# Altium PCB PCB1.PcbDoc (part 2 of 2) (continued)
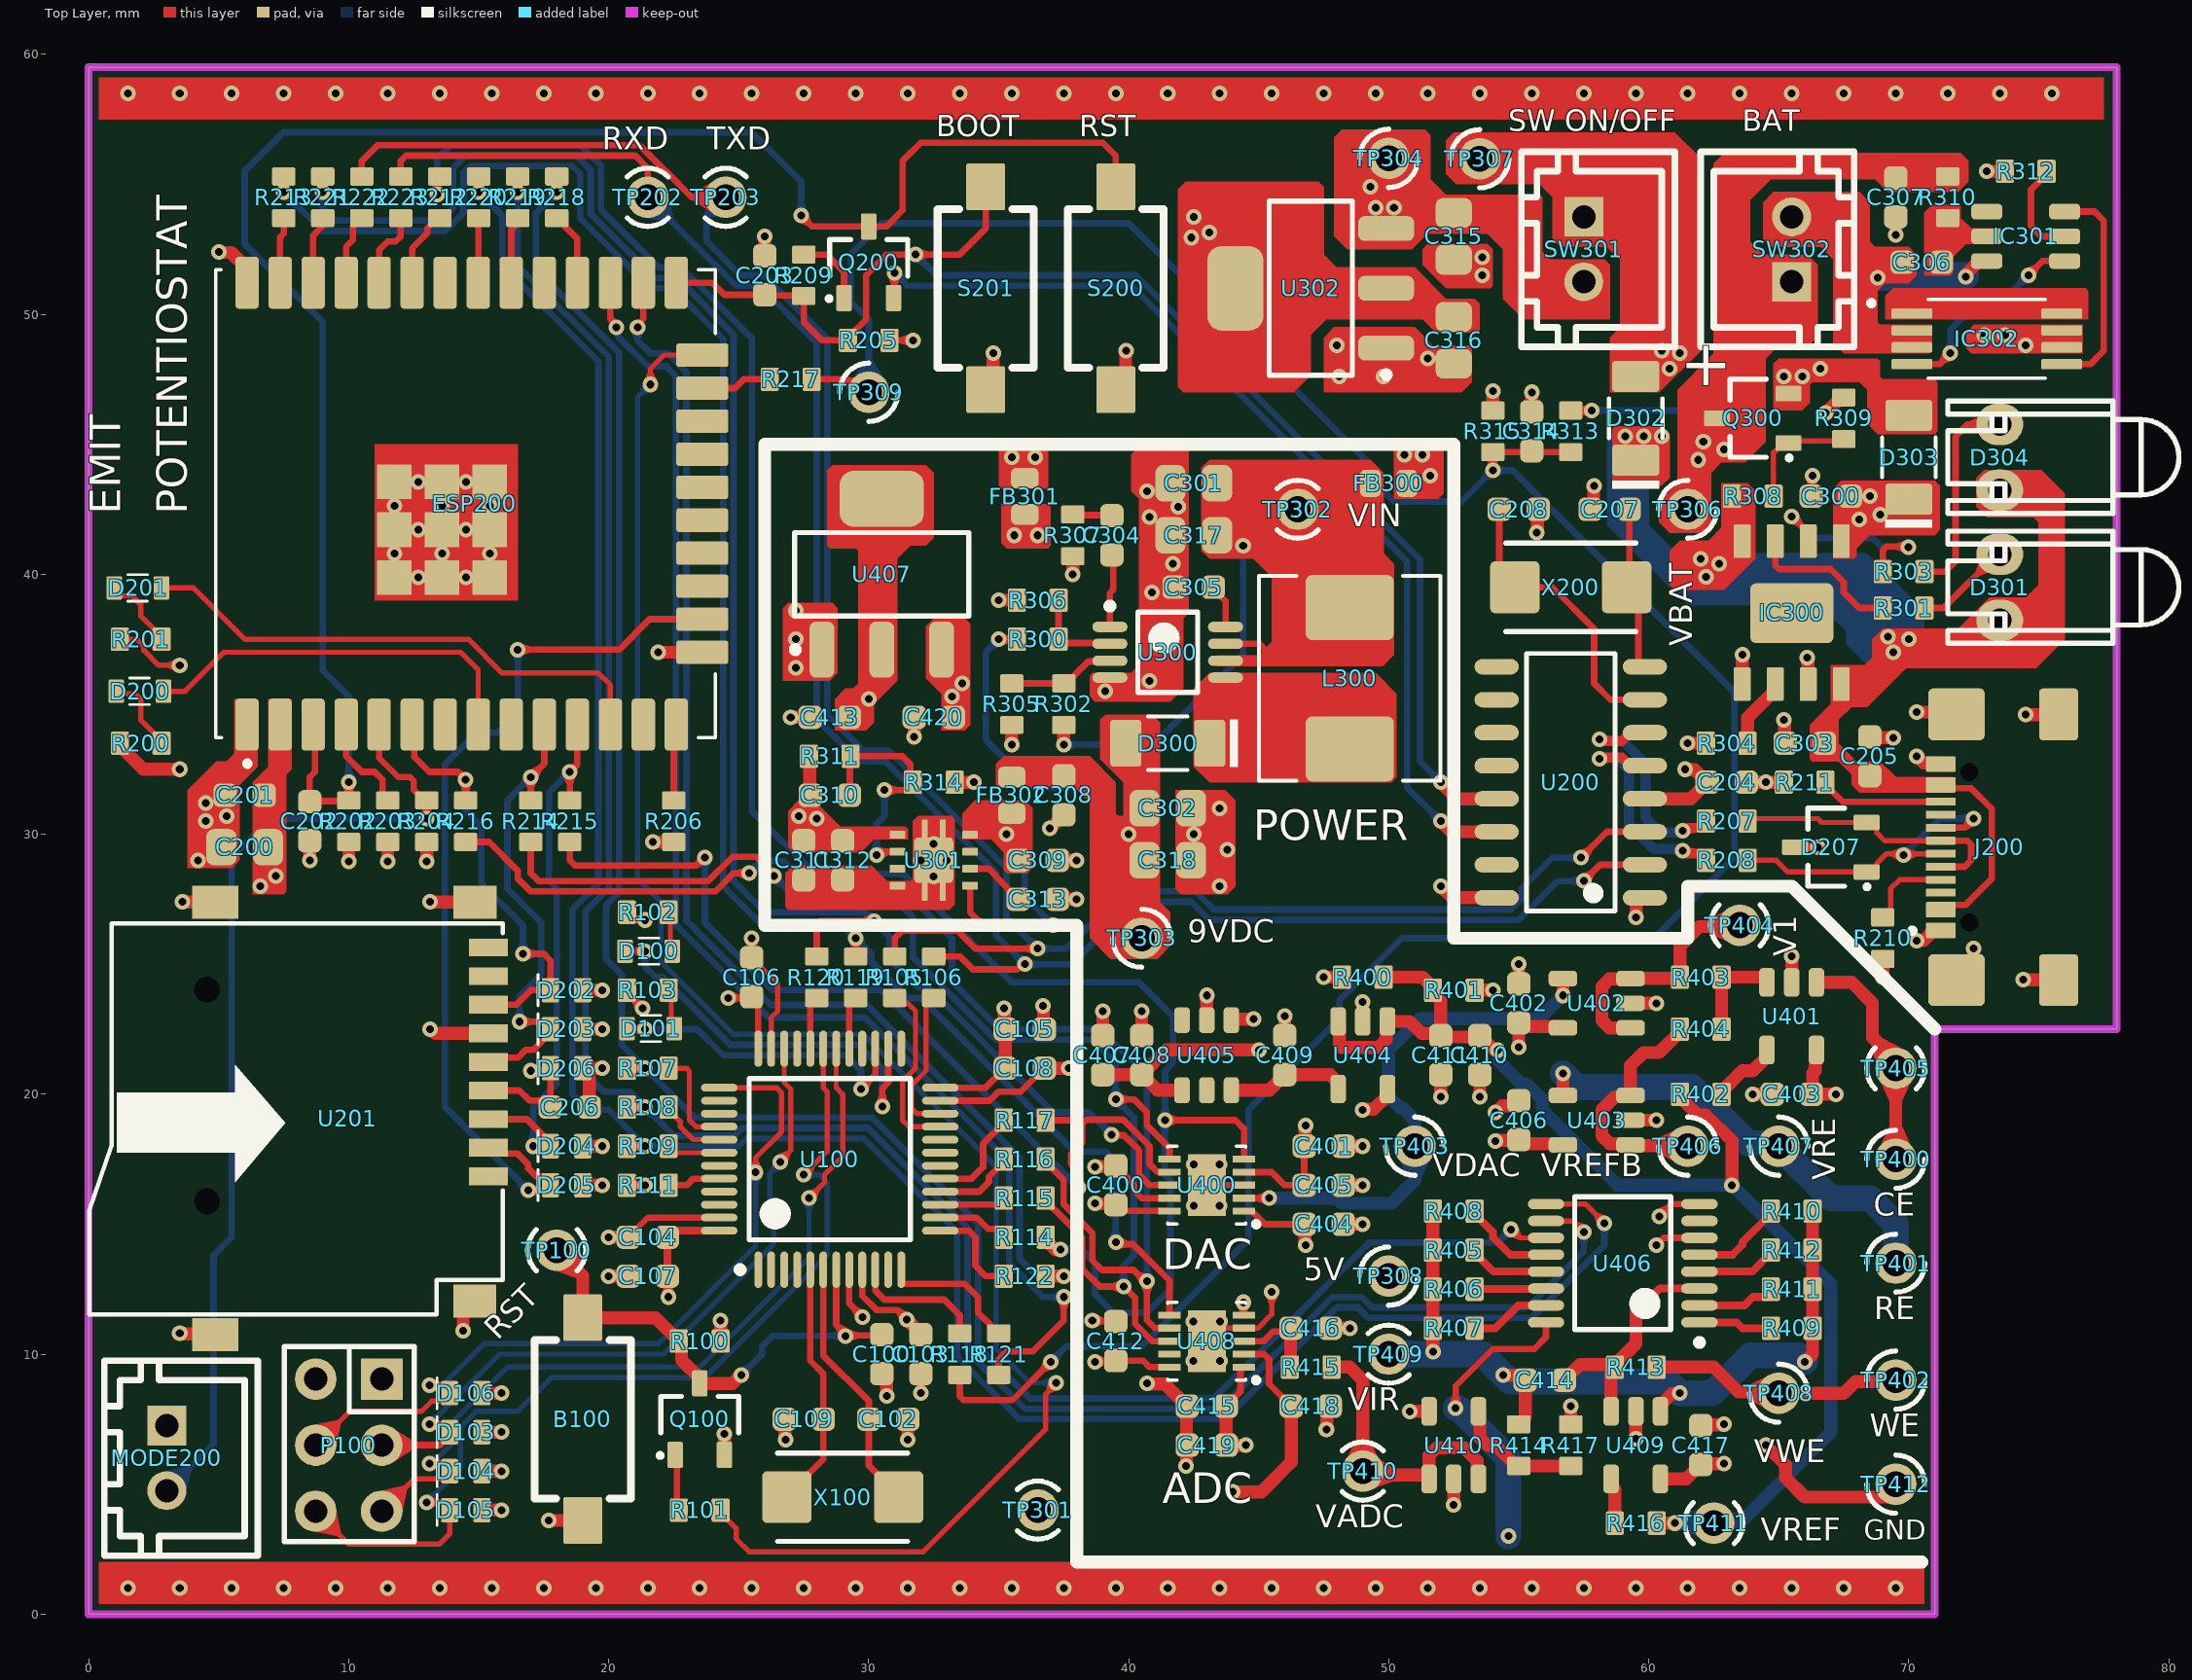
[diagram p0: Top Layer view]
## Nets (pads, with @x,y where several pads share a name; then routed paths per layer and width w, separated by ;. In a path a pad name is that pad's centre, name@x,y a point inside that pad or via, vN(x,y) a via of type N, cw(c..) or ccw(c..) an arc to the next point about the centre after c; other vN are vias at no path point) (continued)
NetR405_1: R405.1 U406.13 | length 3.2
  Top Layer w0.3: R405.1@53.3,14 53.3,13.9 54.025,13.175 U406.13@56.05,13.175
NetR406_1: R406.1 U406.14 | length 2.8
  Top Layer w0.3: R406.1@53.3,12.5 53.313,12.513 56.037,12.513 U406.14@56.05,12.525
NetR407_1: R407.1 U406.15 | length 3.1
  Top Layer w0.3: R407.1@53.3,11 54.1,11 54.975,11.875 U406.15@56.05,11.875
NetR408_1: R408.1 U406.12 | length 3.6
  Top Layer w0.3: R408.1@53.3,15.5 53.3,15.4 54,14.7 54,14.5 54.675,13.825 U406.12@56.05,13.825
NetR409_1: R409.1 U406.1 | length 2.8
  Top Layer w0.3: U406.1@61.95,11.225 63.375,11.225 63.6,11 R409.1@64.7,11
NetR410_1: R410.1 U406.5 | length 3.6
  Top Layer w0.3: U406.5@61.95,13.825 63.225,13.825 63.6,14.2 63.6,14.3 64.7,15.4 R410.1@64.7,15.5
NetR411_1: R411.1 U406.2 | length 3.1
  Top Layer w0.3: U406.2@61.95,11.875 63.675,11.875 64,12.2 64.5,12.2 64.7,12.4 R411.1@64.7,12.5
NetR412_1: R412.1 U406.4 | length 3.2
  Top Layer w0.3: U406.4@61.95,13.175 63.975,13.175 64.7,13.9 R412.1@64.7,14
NetR414_2: R414.2 R417.1 U410.4 | length 5
  Top Layer w0.5: U410.4@53.45,7.8 53.5,7.75 53.5,6.8 53.8,6.5 54.1,6.5 54.9,5.7 R414.2@55,5.7 R417.1@57,5.7
NetR415_1: R415.1 TP410.1 U410.1 U410.3 | length 11.3
  Top Layer w0.5: R415.1@47.8,9.5 48.5,9.5 49,9 TP410.1@49,5.5 49.15,5.35 51.5,5.35 U410.1@51.55,5.3 ; U410.1@51.55,5.2 U410.1@51.55,5.3 ; U410.3@53.45,5.2 53.4,5.25 53.4,5.9 52.9,6.4 51.843,6.4 51.55,6.107 U410.1@51.55,5.3
NetR416_1: R416.1 U409.4 | length 1.8
  Top Layer w0.5: U409.4@58.55,5.2 58.55,4.95 58.7,4.8 R416.1@58.7,3.5
NetTP403_1: TP403.1 U400.2 U402.4 | length 20.7
  Top Layer w0.25: U400.2@44.435,16 v1(45.4,16)
  Top Layer w0.5: v1(56.7,23.8) U402.4@56.7,24.45
  Bottom Layer w0.5: v1(45.4,16) 48,16 48.2,15.8 50.1,15.8 51,16.7 TP403.1@51,18 51,19 50.545,19.455 50.455,19.455 50,19.91 50,21.7 51.2,22.9 55.8,22.9 v1(56.7,23.8)
NRST: B100.2 C100.2 Q100.3 R100.2 TP100.1 U100.7 | length 19.7
  Top Layer w0.25: U100.7@28.75,13.25 28.75,11.145 29.1,10.795 v1(29.1,10.7) 29.125,10.725 30.475,10.725 C100.2@30.5,10.75
  Top Layer w0.5: TP100.1@18,14 19,13 B100.2@19,11.4 21.8,11.4 22.5,10.7 22.6,10.7 22.7,10.6 R100.2@22.7,10.5 22.8,10.4 22.8,9.775 23.5,9.075 Q100.3@23.5,8.875 24.748,8.875 25.073,9.2 v1(25.1,9.2)
  Bottom Layer w0.25: v1(25.1,9.2) 25.9,10 25.9,10.3 26.3,10.7 v1(29.1,10.7)
OCS_IN: C109.2 U100.5 X100.1 | length 9.5
  Top Layer w0.25: X100.1@26.85,4.5 26.85,4.55 28.25,5.95 C109.2@28.25,7.5 28.25,9.25 27.75,9.75 U100.5@27.75,13.25
OCS_OUT: C102.2 U100.6 X100.2 | length 10
  Top Layer w0.25: U100.6@28.25,13.25 28.25,9.95 30,8.2 C102.2@30,7.5 30,5.719 31.15,4.569 X100.2@31.15,4.5
RE: TP401.1 TP407.1 U403.4 | length 17.6
  Top Layer w0.5: U403.4@56.7,19.95 v1(56.7,20.8)
  Bottom Layer w1: v1(56.7,20.8) 57.225,20.275 61.65,20.275 63.81,18.115 64.885,18.115 TP407.1@65,18 67,16 68.5,16 69.5,15 TP401.1@69.5,13.5
RST_STM: ESP200.24 R101.2 | length 69
  Top Layer w0.2: v1(21.6,47.3) 21.6,47.901 22.129,48.43 ESP200.24@23.6,48.43 ; R101.2@24.3,4 24.3,3.9 24.9,3.3 24.9,2.9 25.4,2.4 32.1,2.4 36.8,7.1 36.8,8.451 37.2,8.851 v1(37.2,8.9)
  Bottom Layer w0.2: v1(21.6,47.3) 21.1,46.8 21.1,28.3 22,27.4 22,25.1 24.8,22.3 29.8,22.3 34.9,17.2 34.9,10.2 36.2,8.9 v1(37.2,8.9)
RST_W: C202.2 ESP200.3 Q200.3 R202.1 S200.1 | length 70.7
  Top Layer w0.25: ESP200.3@8.63,34.215 8.7,34.145 8.7,32.4 8.5,32.2 C202.2@8.5,31.25 8.525,31.275 9.975,31.275 R202.1@10,31.3 v1(10,32) ; v1(27.4,53.8) 27.825,53.375 Q200.3@30,53.375 30.675,53.375 31.3,54 31.3,55.9 32,56.6 39,56.6 39.5,56.1 S200.1@39.5,54.9
  Bottom Layer w0.25: v1(10,32) 10,35.3 9,36.3 9,49.7 6,52.7 6,55.5 7.5,57 25.5,57 27.4,55.1 v1(27.4,53.8)
RTS: Q200.2 U200.14 | length 38.1
  Top Layer w0.25: Q200.2@30.95,50.625 30.975,50.65 30.975,51.575 v1(31,51.6)
  Top Layer w0.5: v1(52,30.5) 52.405,30.095 U200.14@54.15,30.095
  Bottom Layer w0.25: v1(31,51.6) 31.5,51.1 40.1,51.1 50.7,40.5 50.7,31.8 v1(52,30.5)
RXD_WIFI: R106.1 R223.1 TP202.1 U200.2 | length 77.9
  Top Layer w0.25: R223.1@12,55.3 12,55.9 12.2,56.1 21.018,56.1 21.5,55.618 TP202.1@21.5,54.5 ; R106.1@32.5,25.3 33.5,25.3 34,24.8 35.705,24.8 35.905,25 v1(36,25) ; v1(57.5,28.2) 58.125,28.825 U200.2@59.85,28.825
  Bottom Layer w0.25: TP202.1@21.5,54.5 24.9,51.1 25.8,51.1 28,48.9 28,34.434 29.634,32.8 30.634,32.8 34.9,28.534 34.9,26.1 v1(36,25) 37.8,25 40.2,27.4 42.4,27.4 43.1,26.7 55,26.7 56.5,28.2 v1(57.5,28.2)
SPI_CS1: R114.1 R212.2 U400.5 | length 78.4
  Top Layer w0.25: v1(13.4,54.6) 13.4,55.2 R212.2@13.5,55.3 ; v1(41.4,19) 44.1,19 44.435,18.665 U400.5@44.435,17.5
  Top Layer w0.5: R114.1@36.8,14.5 36.8,14.4 37.181,14.019 v1(37.368,14.019)
  Bottom Layer w0.25: v1(13.4,54.6) 13.4,56 13.9,56.5 18.931,56.5 19.7,55.731 19.7,54.031 21.931,51.8 22.79,51.8 25.5,49.09 25.5,30.9 27.917,28.483 31.317,28.483 35.5,24.3 40.4,24.3 41.7,23 41.7,21.2 41.4,20.9 v1(41.4,19) 41.376,18.976 41.376,16.906 41.6,16.682 41.6,12.5 40.7,11.6 39.4,11.6 38.7,12.3 38.7,13.5 38.181,14.019 v1(37.368,14.019)
SPI_CS2: R119.1 R213.2 U408.6 | length 72.3
  Top Layer w0.25: v1(7.5,54.7) R213.2@7.5,55.3 ; R119.1@29.5,25.3 v1(29.5,26) ; v1(39.5,14.3) 39.567,14.233 40.167,14.233 41.565,12.835 U408.6@41.565,11.5
  Bottom Layer w0.25: v1(7.5,54.7) 9,53.2 13.7,53.2 14.417,53.917 14.417,55.451 14.666,55.7 18.6,55.7 18.9,55.4 18.9,53.7 21.6,51 22.459,51 24.4,49.059 24.4,28 25.9,26.5 29,26.5 v1(29.5,26) 30.1,25.4 30.1,25.1 31.5,23.7 32,23.7 37.9,17.8 39.1,17.8 39.5,17.4 v1(39.5,14.3)
SPI_DI: R117.1 R215.2 U400.7 | length 36.1
  Top Layer w0.25: R215.2@18.5,29.7 18.5,29 18.7,28.8 23.379,28.8 23.679,29.1 v1(23.7,29.1) ; R117.1@36.8,19 38.059,19 38.206,18.854 ; v1(38.075,16.4) 38.075,17.013 37.782,17.305 37.782,17.695 38.206,18.119 38.206,18.854 ; U400.7@41.565,17 41.555,17.01 41.101,17.01 40.8,17.311 40.8,18 39.782,19.018 38.371,19.018 38.206,18.854
  Bottom Layer w0.25: v1(23.7,29.1) 23.7,26.6 26.3,24 30.475,24 v1(38.075,16.4)
SPI_DO: R116.1 R216.2 U408.7 | length 49.7
  Top Layer w0.25: R216.2@14.5,29.7 15.4,29.7 16.5,28.6 16.5,28.3 17,27.8 24.1,27.8 24.8,28.5 v1(25.4,28.5) ; R116.1@36.8,17.5 36.8,17.4 37.5,16.7 37.5,15.766 38.6,14.666 38.6,13.605 38.969,13.236 40.182,13.236 40.618,12.8 v1(40.7,12.8) 40.7,11.3 41,11 U408.7@41.75,11
  Bottom Layer w0.25: v1(25.4,28.5) 25.424,28.5 25.889,28.965 26.735,28.965 27.7,28 31.2,28 33.2,26 33.2,24.331 35.031,22.5 38.9,22.5 40.7,20.7 v1(40.7,12.8)
SPI_LDAC: R120.1 R221.2 U400.8 | length 70.1
  Top Layer w0.25: v1(9,54.7) R221.2@9,55.3 ; R120.1@28,25.3 28,26.504 28.146,26.65 v1(30.2,26.65) ; v1(39.343,18.443) 39.364,18.423 39.812,18.423 40.4,17.834 40.4,16.9 40.8,16.5 U400.8@41.565,16.5
  Bottom Layer w0.25: v1(9,54.7) 9,54.1 9.5,53.6 13.534,53.6 14.017,54.083 14.017,55.617 14.5,56.1 18.766,56.1 19.3,55.566 19.3,53.866 21.766,51.4 22.624,51.4 24.8,49.224 24.8,28.2 26,27 29.85,27 v1(30.2,26.65) 30.8,26.05 30.8,25.2 31.9,24.1 32.3,24.1 37.1,19.3 38.487,19.3 v1(39.343,18.443)
SPI_NSS1: R114.2 U100.14 | length 2.8
  Top Layer w0.25: U100.14@32.75,15.25 34.15,15.25 34.575,14.825 34.975,14.825 35.2,14.6 R114.2@35.2,14.5
SPI_NSS2: R119.2 U100.29 | length 2.1
  Top Layer w0.25: U100.29@29.25,21.75 29.25,23.475 29.475,23.7 R119.2@29.5,23.7
SPI_SCLK: R115.1 R214.2 U400.6 U408.8 | length 49.6
  Top Layer w0.25: R214.2@17,29.7 17,28.5 17.3,28.2 23.834,28.2 24.772,29.138 25.652,29.138 26.35,28.44 v1(26.35,28.39) ; R115.1@36.8,16 36.8,15.9 37.5,15.2 38.2,14.5 38.2,13.287 38.887,12.6 v1(39.8,12.6) 40.25,12.15 40.25,11.15 40.9,10.5 U408.8@41.75,10.5 ; v1(39.5,19.8) 40.2,19.8 40.7,19.3 40.7,18.8 41.565,17.935 U400.6@41.565,17.5
  Bottom Layer w0.25: v1(26.35,28.39) 27.24,27.5 31,27.5 31.7,26.8 31.7,25.266 34.866,22.1 38.6,22.1 39.5,21.2 v1(39.5,19.8) 40.2,19.1 40.2,13.8 39.8,13.4 v1(39.8,12.6)
SS_SD: D205.1 ESP200.16 U201.2 | length 35.4
  Top Layer w0.25: U201.2@15.377,17.941 15.595,17.723 16.477,17.723 16.9,17.3 16.9,17.146 17.202,16.845 17.55,16.845 17.755,16.64 D205.1@17.755,16.5 17.555,16.3 v1(16.9,16.3) ; v1(16.5,37.1) 20.4,37.1 21.57,38.27 ESP200.16@23.6,38.27
  Bottom Layer w0.25: v1(16.5,37.1) 16.5,34.7 15.7,33.9 14.9,33.9 13.7,32.7 13.7,19.5 v1(16.9,16.3)
SW_A: R107.1 R218.2 U406.11 | length 83
  Top Layer w0.2: R107.1@20.7,21 v1(21.4,21) ; v1(54.7,14.8) 54.725,14.8 55.05,14.475 U406.11@56.05,14.475
  Top Layer w0.25: v1(18,54.7) R218.2@18,55.3
  Bottom Layer w0.25: v1(18,54.7) 17.2,53.9 17.2,51.731 20.4,48.531 20.4,27.769 19.9,27.269 19.9,25.2 20.5,24.6 20.5,21.9 v1(21.4,21) 23.3,19.1 30.131,19.1 34.2,15.031 34.2,10.3 36.2,8.3 43.275,8.3 49.275,14.3 54.2,14.3 v1(54.7,14.8)
SW_B: R108.1 R219.2 U406.10 | length 88.4
  Top Layer w0.2: R108.1@20.7,19.5 v1(21.4,19.5) ; U406.10@56.05,15.125 57.075,15.125 v1(57.5,14.7)
  Bottom Layer w0.25: v1(16.5,54.7) 16.5,51.866 20,48.366 20,27.934 19.1,27.034 19.1,20.8 19.8,20.1 20.8,20.1 v1(21.4,19.5) 22.5,18.4 24.834,18.4 25.134,18.7 29.966,18.7 33.8,14.866 33.8,10.1 36,7.9 43.534,7.9 47.834,12.2 48.966,12.2 49.366,11.8 55.334,11.8 57.5,13.966 v1(57.5,14.7)
SW_C: R109.1 R220.2 U406.9 | length 92.8
  Top Layer w0.2: R109.1@20.7,18 v1(21.4,18) ; U406.9@56.05,15.775 57.56,15.775 v1(58.3,15.035)
  Top Layer w0.25: v1(15,54.7) R220.2@15,55.3
  Bottom Layer w0.25: v1(15,54.7) 15.9,53.8 15.9,51.9 19.6,48.2 19.6,28.1 18.6,27.1 18.6,20 19.2,19.4 20,19.4 v1(21.4,18) 25,18 25.3,18.3 29.8,18.3 33.4,14.7 33.4,9.9 35.8,7.5 43.7,7.5 48,11.8 48.8,11.8 49.2,11.4 55.5,11.4 58.296,14.196 58.296,15.031 v1(58.3,15.035)
SWDCL: D106.1 P100.4 U100.37 | length 30.5
  Top Layer w0.2: P100.4@8.73,6.5 10.03,7.8 12.8,7.8 13.196,8.196 13.647,8.196 13.878,8.426 D106.1@13.878,8.5 13.878,8.57 13.647,8.8 v1(13.1,8.8) ; U100.37@24.25,20.25 26.455,20.25 26.65,20.055 26.65,18.55 25.65,17.55 v1(25.65,16.99)
  Bottom Layer w0.2: v1(13.1,8.8) 13.6,8.8 15.2,10.4 21.9,10.4 25.65,14.15 v1(25.65,16.99)
SWDIO: D103.1 P100.3 U100.34 | length 28
  Top Layer w0.2: v1(26.6,17.4) 26.6,17.449 27,17.849 27,20.2 26.75,20.45 U100.34@26.75,21.75
  Top Layer w0.25: P100.3@11.27,6.5 13.517,6.5 13.878,6.86 D103.1@13.878,7 13.878,7.084 13.672,7.289 13.111,7.289 v1(13.1,7.3)
  Bottom Layer w0.2: v1(13.1,7.3) 15.8,10 22.1,10 26.35,14.25 26.35,15.907 26.2,16.057 26.2,16.951 26.6,17.351 v1(26.6,17.4)
TXD_WIFI: R105.1 R222.1 TP203.1 U200.3 | length 83.9
  Top Layer w0.25: R222.1@10.5,55.3 10.5,55.9 11.1,56.5 21.184,56.5 22.184,55.5 22.2,55.5 23.2,54.5 TP203.1@24.5,54.5 ; R105.1@31,25.3 31,26 31.3,26.3 33.4,26.3 34.1,25.6 v1(36.5,25.6) ; v1(57.4,29.1) 58.395,30.095 U200.3@59.85,30.095
  Bottom Layer w0.25: TP203.1@24.5,54.5 24.489,54.5 23.767,53.778 23.767,52.798 25.066,51.5 25.966,51.5 28.4,49.066 28.4,34.6 29.8,33.2 30.8,33.2 35.3,28.7 35.3,26.8 v1(36.5,25.6) 37.6,25.6 39.8,27.8 42.566,27.8 43.266,27.1 54.7,27.1 55.1,27.5 55.1,27.9 56.3,29.1 v1(57.4,29.1)
UART1_RXD: D105.1 P100.6 U100.31 | length 37.2
  Top Layer w0.2: P100.6@8.73,3.96 9.99,2.7 13.5,2.7 13.878,3.078 D105.1@13.878,4 13.878,4.07 13.647,4.3 v1(13,4.3) ; v1(27.5,16.9) 28.4,17.8 28.4,20.1 28.25,20.25 U100.31@28.25,21.75
  Bottom Layer w0.2: v1(13,4.3) 14.3,5.6 14.3,7.2 14.9,7.8 16.5,7.8 17.8,9.1 23.7,9.1 28.4,13.8 28.4,16.6 28.1,16.9 v1(27.5,16.9)
UART1_TXD: D104.1 P100.5 U100.30 | length 31.3
  Top Layer w0.2: P100.5@11.27,3.96 12.51,5.2 13.647,5.2 13.878,5.43 13.878,5.57 13.647,5.8 v1(13.1,5.8) ; v1(27.7,16) 28.3,16.6 28.3,16.9 29,17.6 29,20 28.75,20.25 U100.30@28.75,21.75
  Bottom Layer w0.2: v1(13.1,5.8) 13.208,5.8 13.95,6.542 13.95,7.35 16.1,9.5 23.5,9.5 27.7,13.7 v1(27.7,16)
UART2_RXD: R122.2 U100.13 | length 3.8
  Top Layer w0.25: U100.13@32.75,14.75 33.85,14.75 34.1,14.5 34.1,13.4 34.5,13 R122.2@35.2,13
UART2_TXD: R121.2 U100.12 | length 5.5
  Top Layer w0.25: U100.12@31.25,13.25 31.25,12.723 31.273,12.7 33.7,12.7 34.2,12.2 34.2,11.6 34.675,11.125 34.675,11.025 34.9,10.8 R121.2@35,10.8
USB_VIN: C205.2 C303.1 D301.1 D302.1 D304.1 IC300.4 IC300.8 J200.A4B9 J200.A9B4 R308.2 | length 7.5
  Top Layer w0.25: J200.A4B9@71.235,27.1 71.41,27.275 72.175,27.275 73.2,28.3 73.2,30.965 72.4,31.765 71.37,31.765 J200.A9B4@71.235,31.9
  other v1: 69.4,37 70,37.5 69.2,37.6 62.2,39.9 62.7,40.4 62,40.6 59.1,45.3 59.8,45.3 60.5,45.3
VBAT: C300.2 C307.2 D303.1 IC300.5 Q300.3 R310.2 R313.1 SW302.1 TP306.1 | length 11.6
  Top Layer w0.25: R313.1@57,46.3 v1(57.8,46.3)
  Bottom Layer w0.25: v1(57.8,46.3) 62.4,46.3 63.5,47.4 63.5,49.238 65.5,51.238 SW302.1@65.5,51.25
  other v1: 68.1,42.1 68.9,42.3 68.5,43 61.9,44.4 62.9,44.8 62.1,45.1
VBAT_ADC: R118.2 U100.10 | length 5.1
  Top Layer w0.25: U100.10@30.25,13.25 30.26,13.24 30.26,12.44 30.6,12.1 32.9,12.1 33.5,11.5 R118.2@33.5,10.8
VDD_3V3: C103.2 C104.2 C105.2 C106.2 C107.2 C108.2 C200.2 C201.2 C204.2 C206.2 C316.2 C400.2 C412.2 D206.1 ESP200.2 P100.1 R100.1 R102.2 R103.2 R200.2 R201.2 R202.2 R203.2 R204.2 R205.2 TP301.1 U100.9 U100.24 U100.36 U100.48 U200.4 U200.16 U201.4 U302.2 U302.4 U400.10 U406.16 U408.10 | length 57.2
  Top Layer w0.2: R201.2@1.2,37.5 1.85,37.5 2.119,37.231 2.119,37.069 2.687,36.5 v1(3.5,36.5) ; R103.2@20.7,24 20.7,23.9 v1(21.3,23.3) ; R102.2@20.7,27 20.7,26.96 20.95,26.71 21.39,26.71 v1(21.4,26.7)
  Top Layer w0.25: U201.4@15.377,20.141 16.559,20.141 16.937,19.763 17.487,19.763 C206.2@17.75,19.5 17.753,19.503 D206.1@17.753,20.997 ; v1(17,20.9) 17.655,20.9 D206.1@17.753,20.997 ; D206.1@17.755,21 D206.1@17.753,20.997 ; v1(24.593,23.693) 24.622,23.722 25.472,23.722 C106.2@25.5,23.75 25.74,23.51 25.74,21.76 U100.36@25.75,21.75 ; U100.9@29.75,13.25 29.75,12.25 30.3,11.7 31.1,11.7 32,10.8 C103.2@32,10.75 ; R205.2@30.8,49 v1(31.7,49) ; U100.24@32.75,20.25 34.5,20.25 C108.2@35.25,21 ; v1(38.7,9.7) 38.725,9.725 39.475,9.725 C412.2@39.5,9.75 40.55,9.75 40.8,9.5 U408.10@41.75,9.5 ; C400.2@39.5,15.75 39.74,15.51 41.555,15.51 U400.10@41.565,15.5 ; v1(52.575,7.925) 52.575,8.775 54,10.2 55.6,10.2 56.05,10.65 U406.16@56.05,11.225
  Top Layer w0.3: v1(22.3,12.2) 22.275,12.225 22.275,12.975 C107.2@22.25,13 C104.2@22.25,14.5 22.5,14.75 U100.48@24.25,14.75
  Top Layer w0.5: R200.2@1.2,33.5 1.2,33.4 2.1,32.5 v1(3.5,32.5) ; v1(10,28.95) R202.2@10,29.7 ; v1(11.5,28.95) R203.2@11.5,29.7 ; v1(13,28.95) R204.2@13,29.7 ; R100.1@24.3,10.5 v1(24.3,11.3) ; v1(31.47,11.33) C103.2@32,10.8 ; v1(35.2,23.3) 35.219,23.281 35.219,22.531 C105.2@35.25,22.5 C108.2@35.25,21 ; v1(38.7,15.8) 38.719,15.781 39.469,15.781 C400.2@39.5,15.75 ; v1(52,28) 52.445,27.555 U200.16@54.15,27.555 ; U200.4@59.85,31.365 61.615,31.365 C204.2@62.25,32 61.769,32.481 61.419,32.481 v1(61.4,32.5)
  Bottom Layer w1: v1(52.575,7.925) 52.675,7.925 54.6,6 v1(54.6,3)
  other v1: 6.6,28 7.2,28.4 42.4,52.95 43.1,53.15 42.5,53.75
VIN_DC: C315.2 FB300.1 SW301.2 TP304.1 U302.3
  other v1: 51.6,43.8 50.6,44.6 51.3,44.6 49.5,54.1 50.2,54.1 49.3,54.9
VREF_2V5: C410.2 C411.2 R400.1 R401.1 R402.1 R416.2 TP411.1 U404.1 U404.3 | length 47.6
  Top Layer w0.5: U404.3@48.05,22.8 48.1,22.75 48.1,21.9 48.2,21.8 49.607,21.8 49.9,22.093 49.9,22.75 U404.1@49.95,22.8 50.8,22.8 51.261,22.339 C411.2@51.911,22.339 ; R400.1@49.8,24.5 51.3,24.5 51.7,24.1 R401.1@51.7,24 51.7,23.9 52,23.6 C411.2@52,22.25 ; C411.2@52,22.2 53.45,22.2 C410.2@53.5,22.25 54.031,21.719 54.181,21.719 v1(54.2,21.7) ; R416.2@60.3,3.5 v1(61,3.5) ; R402.1@61.2,20 61.3,19.9 61.3,19.8 61.9,19.2 62.2,19.2 63.2,18.2 v1(63.2,16.5)
  Bottom Layer w0.5: v1(54.2,21.7) 54.219,21.681 54.219,21.281 55.1,20.4 55.3,20.4 55.9,19.8 55.9,19.4 58.8,16.5 v1(63.2,16.5) 67,12.7 67,7 63.596,3.596 62.596,3.596 TP411.1@62.5,3.5 v1(61,3.5)
WE: R413.2 TP402.1 TP408.1 | length 9.8
  Top Layer w0.5: R413.2@60.3,9.5 62.5,9.5 63.45,8.55 64.95,8.55 TP408.1@65,8.5 67.5,8.5 67.95,8.95 69.45,8.95 TP402.1@69.5,9
WIFI_LED1: D201.2 ESP200.12 | length 20.3
  Top Layer w0.2: D201.2@2.8,39.475 4.025,39.475 6,37.5 14.6,37.5 15.9,36.2 19.6,36.2 20.06,35.74 ESP200.12@20.06,34.215
WIFI_LED2: D200.2 ESP200.8 | length 15.1
  Top Layer w0.2: D200.2@2.876,35.5 3.7,35.5 5.2,37 14.3,37 14.98,36.32 ESP200.8@14.98,34.215
pads on no net: ESP200.7 ESP200.9 ESP200.13 ESP200.17 ESP200.18 ESP200.19 ESP200.20 ESP200.21 ESP200.22 ESP200.29 ESP200.32 IC300.GND IC301.4 J200. J200.A8 J200.B8 U100.1 U100.2 U100.3 U100.4 U100.11 U100.18 U100.19 U100.20 U100.25 U100.28 U100.33 U100.38 U100.39 U100.43 U100.45 U100.46 U200.9 U200.10 U200.11 U200.12 U200.15 U201. U201.1 U201.8 U201.9 U301.3 U301.7 U405.3 U405.5 U406.7 U408.9

## Polygon pours and split planes (outlines as drawn)
VBAT on Bottom Layer "VBAT_L04_P003" (solid, pour order 3): 60.5,42.1 61,41.6 69,41.6 69.5,42.1 69.5,43.6 67.6,45.5 62,45.5 60.5,44 60.5,43.5
VIN_DC on Bottom Layer "VIN_DC_L04_P002" (solid, pour order 2): 49.7,43.9 50.2,43.4 52.2,43.4 52.8,44 52.8,53.8 51.5,55.1 51.5,56.2 50.7,57 48.5,57 48,56.5 48,46.4 49.7,44.7
GND on Int1 (GND) "GND_L02_P008" (solid, pour order 8): 71,0 71,22.5 78,22.5 78,59.5 0,59.5 0,0
VDD_3V3 on Int1 (GND) "VDD_3V3_L02_P005" (solid, pour order 5): 3,2 3,56.35 62,56.35 62,2
AGND on Int1 (GND) "AGND_L02_P000" (solid, pour order 0): 40.3,3.5 40.3,21.3 33.6,28 27.5,28 26,29.5 26,43.6 51.2,43.6 51.2,25.5 66,25.5 66,3.5
GND on Int2 (PWR) "GND_L03_P007" (solid, pour order 7): 0,0 0,59.5 78,59.5 78,22.5 71,22.5 71,0
5VDC on Int2 (PWR) "5VDC_L03_P004" (solid, pour order 4): 63.4,5.2 63.9,5.7 63.9,9.6 62.7,10.8 60.5,10.8 59,12.3 59,16.7 59.9,17.6 66.8,17.6 67.6,18.4 67.6,20.9 65.925,22.575 52.425,22.575 38.5,36.5 36,36.5 32,36.5 31.5,36 31.5,34.5 30,33 28.5,33 26.5,31 26.5,30.5 27.3,29.7 28.8,29.7 30.9,27.6 32.6,27.6 35.2,25 35.7,24.5 41.5,24.5 46.1,19.9 46.1,11.4 43.5,8.8 43.5,6 44.3,5.2

## Keep-outs
Keep-Out Layer:
  the board outline again, w0.3

## Other copper
Top Layer:
  region net GND: 0.4,57.5 0.4,59.1 77.5,59.1 77.5,57.5
  region net GND: 0.4,2 0.4,0.4 70.6,0.4 70.6,2
  region net GND: 16.5,39 16.5,45 11,45 11,39
  region net USB_VIN: 58.6,43.6 58.8,43.4 60.5,43.4 60.8,43.7 60.8,45.3 60.4,45.7 58.7,45.7 58.6,45.6
  region net VIN_DC: 50.2,42.9 51.9,42.9 52.1,43.1 52.1,44.8 51.9,45 50.3,45 50.2,44.9
  region net GND: 3.8,28.7 5.5,28.7 5.8,29 5.8,31.9 6.5,32.6 6.5,35.1 6.4,35.2 5.6,35.2 5.6,33.1 5.3,32.8 4.9,32.8 3.8,31.7
  region net VDD_3V3: 6.3,32 6.9,32.6 6.9,35.2 7.8,35.2 7.8,32.5 7.6,32.3 7.6,27.8 7.5,27.7 6.3,27.7
  region net NetD302_2: 71,45.4 71.1,45.5 71.1,47.4 71,47.5 69,47.5 68.9,47.6 68.9,48.2 68.8,48.3 65,48.3 64.8,48.1 64.8,46.4 64.9,46.3 65.9,46.3 66.2,46.6 66.2,47.3 66.3,47.4 68.1,47.4 68.4,47.1 68.4,45.8 68.8,45.4
  region net NetD302_2: 58.5,47 60.4,47 62,48.6 62,56 61,57 52.5,57 52.2,56.7 52.2,55.4 52.6,55 55.8,55 56.3,54.5 56.3,52.9 56.6,52.6 58.4,52.6 58.9,52.1 58.9,49.5 58.5,49.1
  region net GND: 51.3,51.9 52.2,51 53.9,51 54,51.1 54,52.5 53.8,52.7 51.5,52.7 51.3,52.5
  region net GND: 47.9,49.5 47.5,49.1 47.5,47 52.8,47 53.2,47.4 53.2,48.7 53.1,48.8 51.7,48.8 51,49.5
  region net AGND: 28.5,35.9 28.8,36.2 28.8,38.7 28.6,38.9 26.9,38.9 26.7,38.7 26.7,35.9
  region net GND: 35.1,43.3 35,43.4 35,44.9 35.1,45 36.7,45 36.9,44.8 36.9,43.3
  region net AGND: 36.9,42.7 37,42.6 37,41.1 36.9,41 35.3,41 35.1,41.2 35.1,42.7
  region net NetC309_2: 35.3,28.5 36.1,28.5 36.3,28.7 36.3,31 36,31.3 34.1,31.3 33.6,30.8 33.6,29.8 34.7,29.8 35.2,29.3 35.2,28.6
  region net 5VDC: 32.8,34 33.7,34 33.9,34.2 33.9,38.1 33.7,38.3 32.5,38.3 32.2,38 32.2,36 32.8,35.4 32.8,34.4
  region net 1.8VDC: 29.6,40.9 29.5,41 28.5,41 28.4,41.1 28.4,44 28.6,44.2 32.2,44.2 32.5,43.9 32.5,41.4 32.2,41.1 31.6,41.1 31.1,40.6 31.1,35.9 30.2,35 30.2,34.3 29.9,34 28.7,34 28.7,35.2 29.1,35.6 29.4,35.6 29.6,35.8
  region net AGND: 31.6,28.2 31.7,28.3 31.7,30.5 31.9,30.7 33.2,30.7 33.3,30.6 33.3,27.3 33.1,27.1 26.9,27.1 26.8,27.2 26.8,28.5 27.1,28.8 30.1,28.8 30.7,28.2
  region net 5VDC: 26.9,30.9 27.3,31.3 27.9,31.3 28.9,30.3 31.4,30.3 31.5,30.2 31.5,29.8 30.2,29.8 29.7,29.3 27.1,29.3 26.9,29.5
  region net GND: 76.7,48.5 76.7,49.6 72.5,49.6 72.2,49.3 72.2,48.7 72.4,48.5
  region net NetC306_2: 71.6,51.5 71.7,51.6 71.7,52.2 72.2,52.7 73.5,52.7 73.6,52.8 73.6,53.2 73.5,53.3 72.4,53.3 72,53.7 72,54.2 70.9,54.2 70.6,53.9 70.6,51.5
  region net NetIC302_1: 69.1,49.8 76.9,49.8 76.9,50.9 76.8,51 69.4,51 69.1,50.7
  region net NetC306_1: 70.8,48.5 70.9,48.6 70.9,49.6 68.9,49.6 68.8,49.7 68.8,50.9 69.1,51.2 70,51.2 70.3,51.5 70.3,52.3 70,52.6 68.7,52.6 68.5,52.8 68.5,54.3 68.1,54.7 64.8,54.7 64.4,54.3 64.4,52.9 64.7,52.6 66.6,52.6 67.1,52.1 67.1,48.9 67.5,48.5 67.6,48.5
  region net VIN_DC: 58.5,51.9 58.3,52.1 56.2,52.1 55.9,52.4 55.9,54.5 55.8,54.6 52.2,54.6 51.6,55.2 51.6,56.9 51.4,57.1 48.2,57.1 47.9,56.8 47.9,53 48.4,52.5 50.9,52.5 51.5,53.1 53.8,53.1 54.4,52.5 54.4,50.6 55.2,49.8 58.5,49.8
  region net VDD_3V3: 53.5,50.4 53.3,50.6 52.2,50.6 51,51.8 48,51.8 47.5,52.3 47.5,54.9 47.3,55.1 42.2,55.1 41.9,54.8 41.9,47.2 42.1,47 46.35,47 47,47.65 47,49.2 47.6,49.8 51.3,49.8 51.8,49.3 53.5,49.3
  region net USB_VIN: 62.8,41.8 62.3,41.3 61.2,41.3 60.8,40.9 60.8,39.6 61,39.4 62.9,39.4 64.1,40.6 64.1,43.2 63.8,43.5 62.8,43.5
  region net VBAT: 62.5,55.8 62.9,56.2 72,56.2 72.3,55.9 72.3,55.1 71.9,54.7 69.2,54.7 68.7,55.2 64.7,55.2 63.9,54.4 63.9,52.8 64.4,52.3 66.1,52.3 66.497,51.903 66.497,49.125 66.122,48.75 64.95,48.75 64.5,48.3 64.5,45.1 63.7,44.3 62.8,44.3 62.4,43.9 62.4,41.9 62.1,41.6 60.8,41.6 60.4,42 60.4,42.8 61.1,43.5 61.1,47.1 62.5,48.5
  region net VBAT: 67.9,40.6 68,40.7 68,41 68.5,41.5 71,41.5 71.2,41.7 71.2,43.4 71,43.6 67.4,43.6 67.1,43.3 67.1,40.6
  region net USB_VIN: 73.1,39.1 74.5,39.1 75,39.6 75,42 74.8,42.2 73,42.2 72.6,42.6 72.6,43.7 72.9,44 75.1,44 76,43.1 76,37.5 74.9,36.4 69.9,36.4 68.4,34.9 67.8,34.9 67.3,34.4 67.3,33.5 68,32.8 68.9,32.8 69.5,32.2 71.7,32.2 71.7,31.6 68.1,31.6 67.8,31.9 67.8,32.3 67.3,32.8 66.3,32.8 66.2,32.9 66.2,34.2 67,35 67,36.5 68.3,36.5 68.6,36.8 68.6,37.5 69,37.9 71.9,37.9
  region net AGND: 38.5,35.3 38.7,35.1 41.6,35.1 42.1,35.6 42.1,38.3 42.3,38.5 42.3,44.8 42.1,45 40.5,45 40.1,44.6 40.1,43.2 40.4,42.9 40.4,36.5 40.1,36.2 38.6,36.2 38.5,36.1
  region net AGND: 41.8,27.9 42,27.7 43.8,27.7 44.1,28 44.1,31.3 43.7,31.7 41.8,31.7
  region net 9VDC: 35,31.8 37.9,31.8 38.5,31.2 38.5,26 39.3,25.2 41.1,25.2 41.6,25.7 41.6,27 41.2,27.4 41.2,34.3 40.9,34.6 39.1,34.6 38.9,34.4 38.9,32.9 39.8,32 39.8,30.7 39.6,30.7 39.5,30.8 39.5,32 38.5,33 35.2,33 34.9,32.7 34.9,31.9
  region net NetD300_1: 43.1,36.2 42.5,35.6 42.5,32.6 43.1,32 50.1,32 50.3,32.2 50.3,35.4 49.5,36.2 44,36.2
  region net NetC301_2: 44.975,36.875 45.5,37.4 45.5,39.9 44.8,40.6 43.1,40.6 42.8,40.9 42.8,44.1 43.1,44.4 49.3,44.4 49.8,43.9 49.8,40.8 50.2,40.4 50.2,36.9 49.775,36.475 43.4,36.475 43.4,36.875
Int1 (GND):
  region net NetD302_2: 60,49 60,47.3 60.2,47.1 66.9,47.1 67.1,47.3 67.1,49
Bottom Layer:
  region net GND: 0.4,2 0.4,0.4 70.6,0.4 70.6,2
  region net GND: 0.4,57.5 0.4,59.1 77.5,59.1 77.5,57.5
  region net USB_VIN: 70.6,38.6 68.389,40.811 61.089,40.811 60,41.9 60,44.2 60.8,45 60.8,45.4 60.5,45.7 58.8,45.7 58.4,45.3 58.4,41.9 61.5,38.8 66.6,38.8 67.6,37.8 67.6,37.3 68.4,36.5 70.3,36.5 70.6,36.8

## Silkscreen, mask and mechanical layers (free items; w line width, h text height)
Top Overlay:
  lines w0.5: 70.5,2 38,2 38,26.5 26,26.5 26,45 52.5,45 52.5,26 61.5,26 61.5,28 65.5,28 71,22.5
  text "SW ON/OFF" at 54.6,56.767 h1.4
  text "BAT" at 63.6,56.767 h1.4
  text "BOOT" at 32.6,56.567 h1.4
  text "RST" at 38.1,56.567 h1.4
  text "+" at 61.201,46.685 h3
  text "EMIT" at 1.618,42.3 h2 r90
  text "POTENTIOSTAT" at 4.179,42.3 h2 r90
  text "POWER" at 44.8,29.382 h2
  text "DAC" at 41.3,12.882 h2
  text "ADC" at 41.3,3.882 h2
Top Solder:
  region: 0,58 78,58 78,59.5 0,59.5
  region: 0,1.5 0,0 71,0 71,1.5
Bottom Solder:
  region: 71,2 71,0 0,0 0,2
  region: 0,59.5 0,57.5 78,57.5 78,59.5

## Dimensions
0,59.5 to 0,0 on Mechanical 1